# Altium PCB GrunMasterBox.PcbDoc (part 1 of 3)
Units mil, origin at the board's own origin, x right, y up, seen from the top; angles counter-clockwise.
Board outline 5866.14 x 2850.39 mil, 4 copper layers (Component Side, Ground Plane, Power Plane, Solder Side), stack 67.604 mil thick; 165 components, 119 nets, 595 pads, 2267 vias.
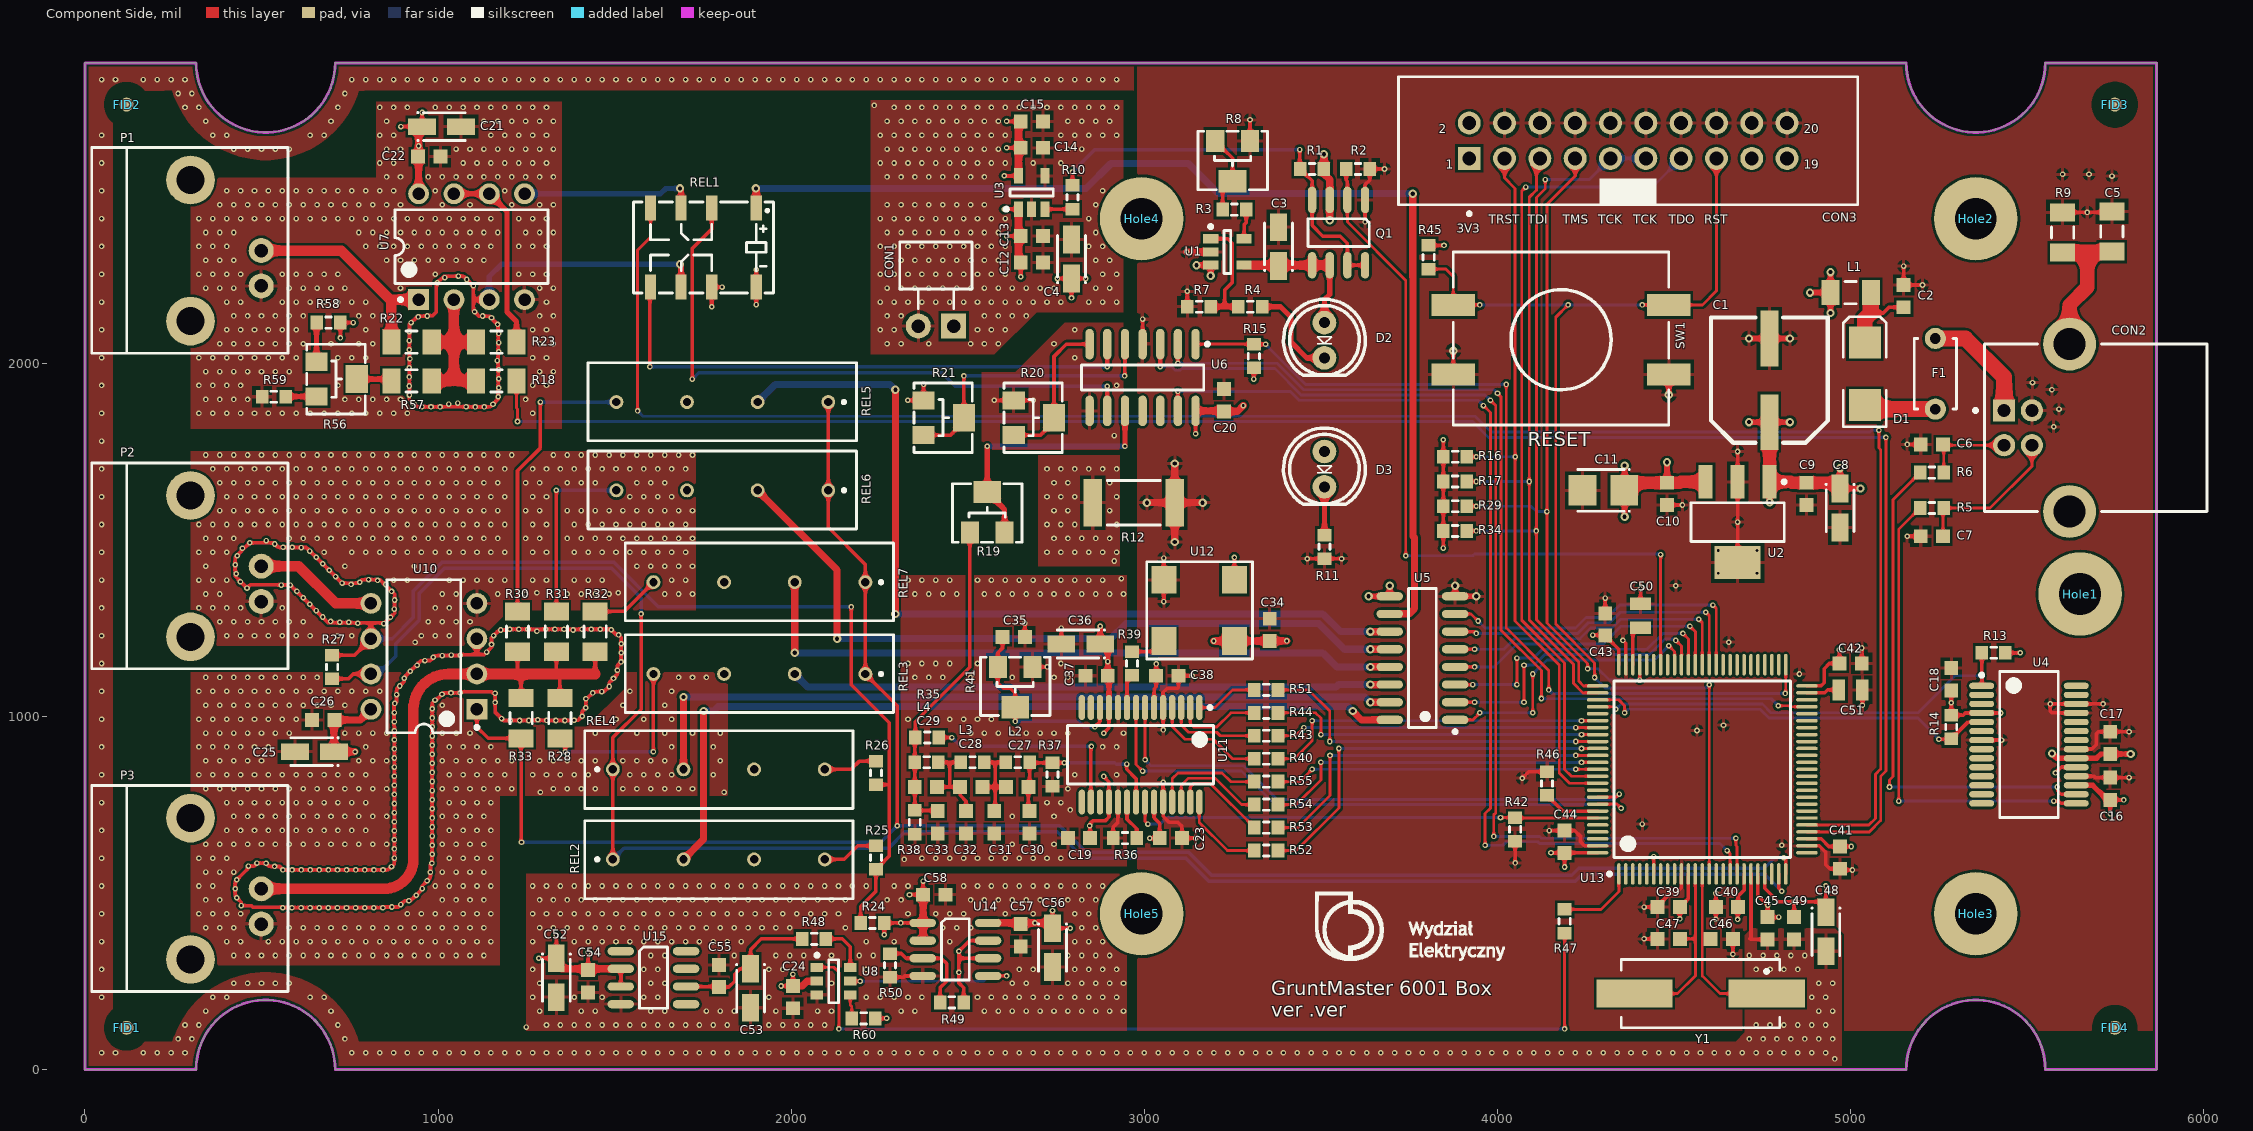
[diagram p0: Component Side view]
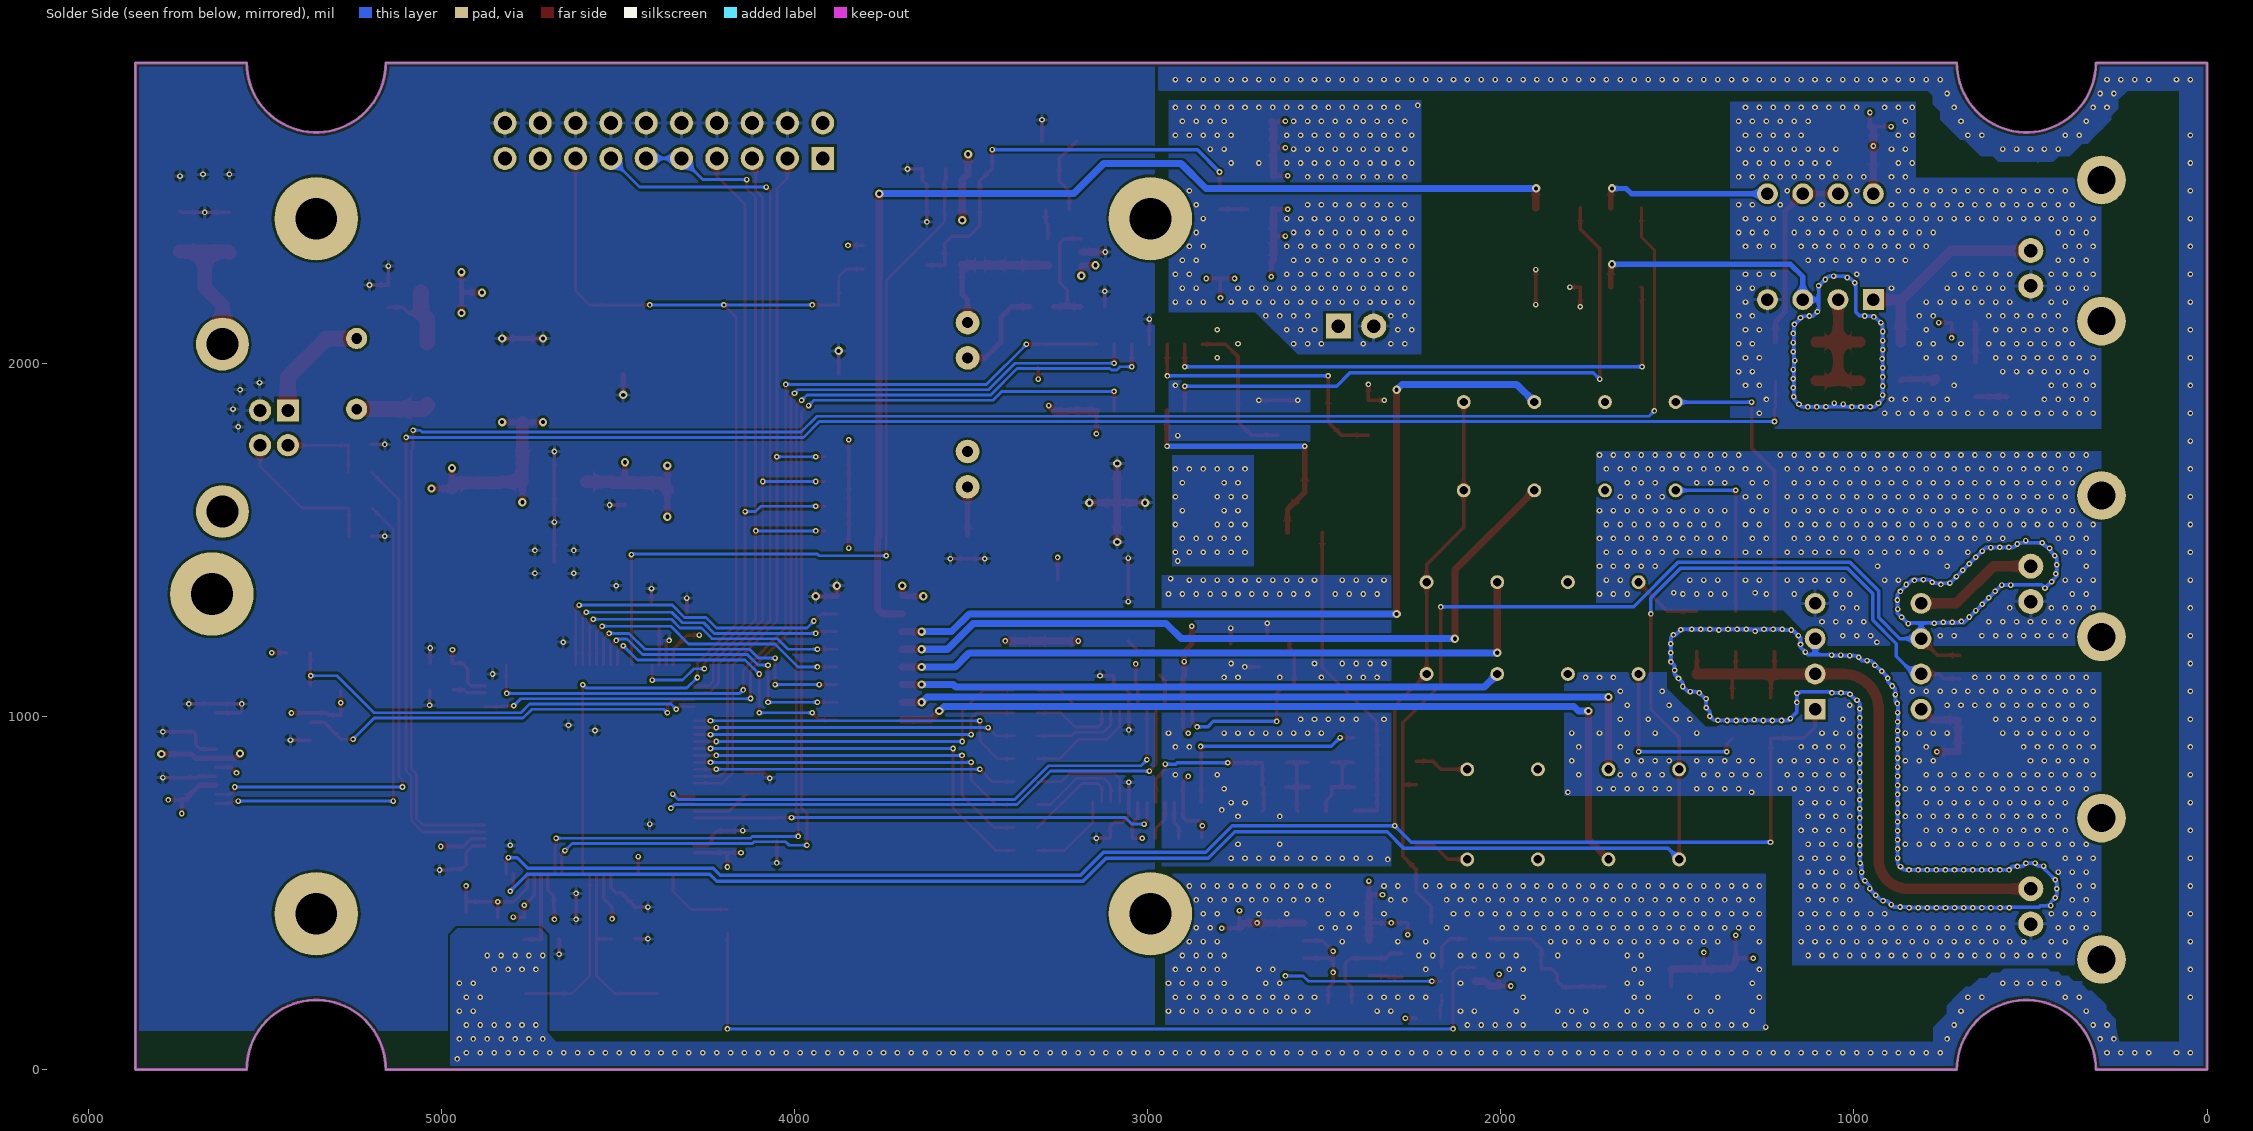
[diagram p1: Solder Side view, seen from below]
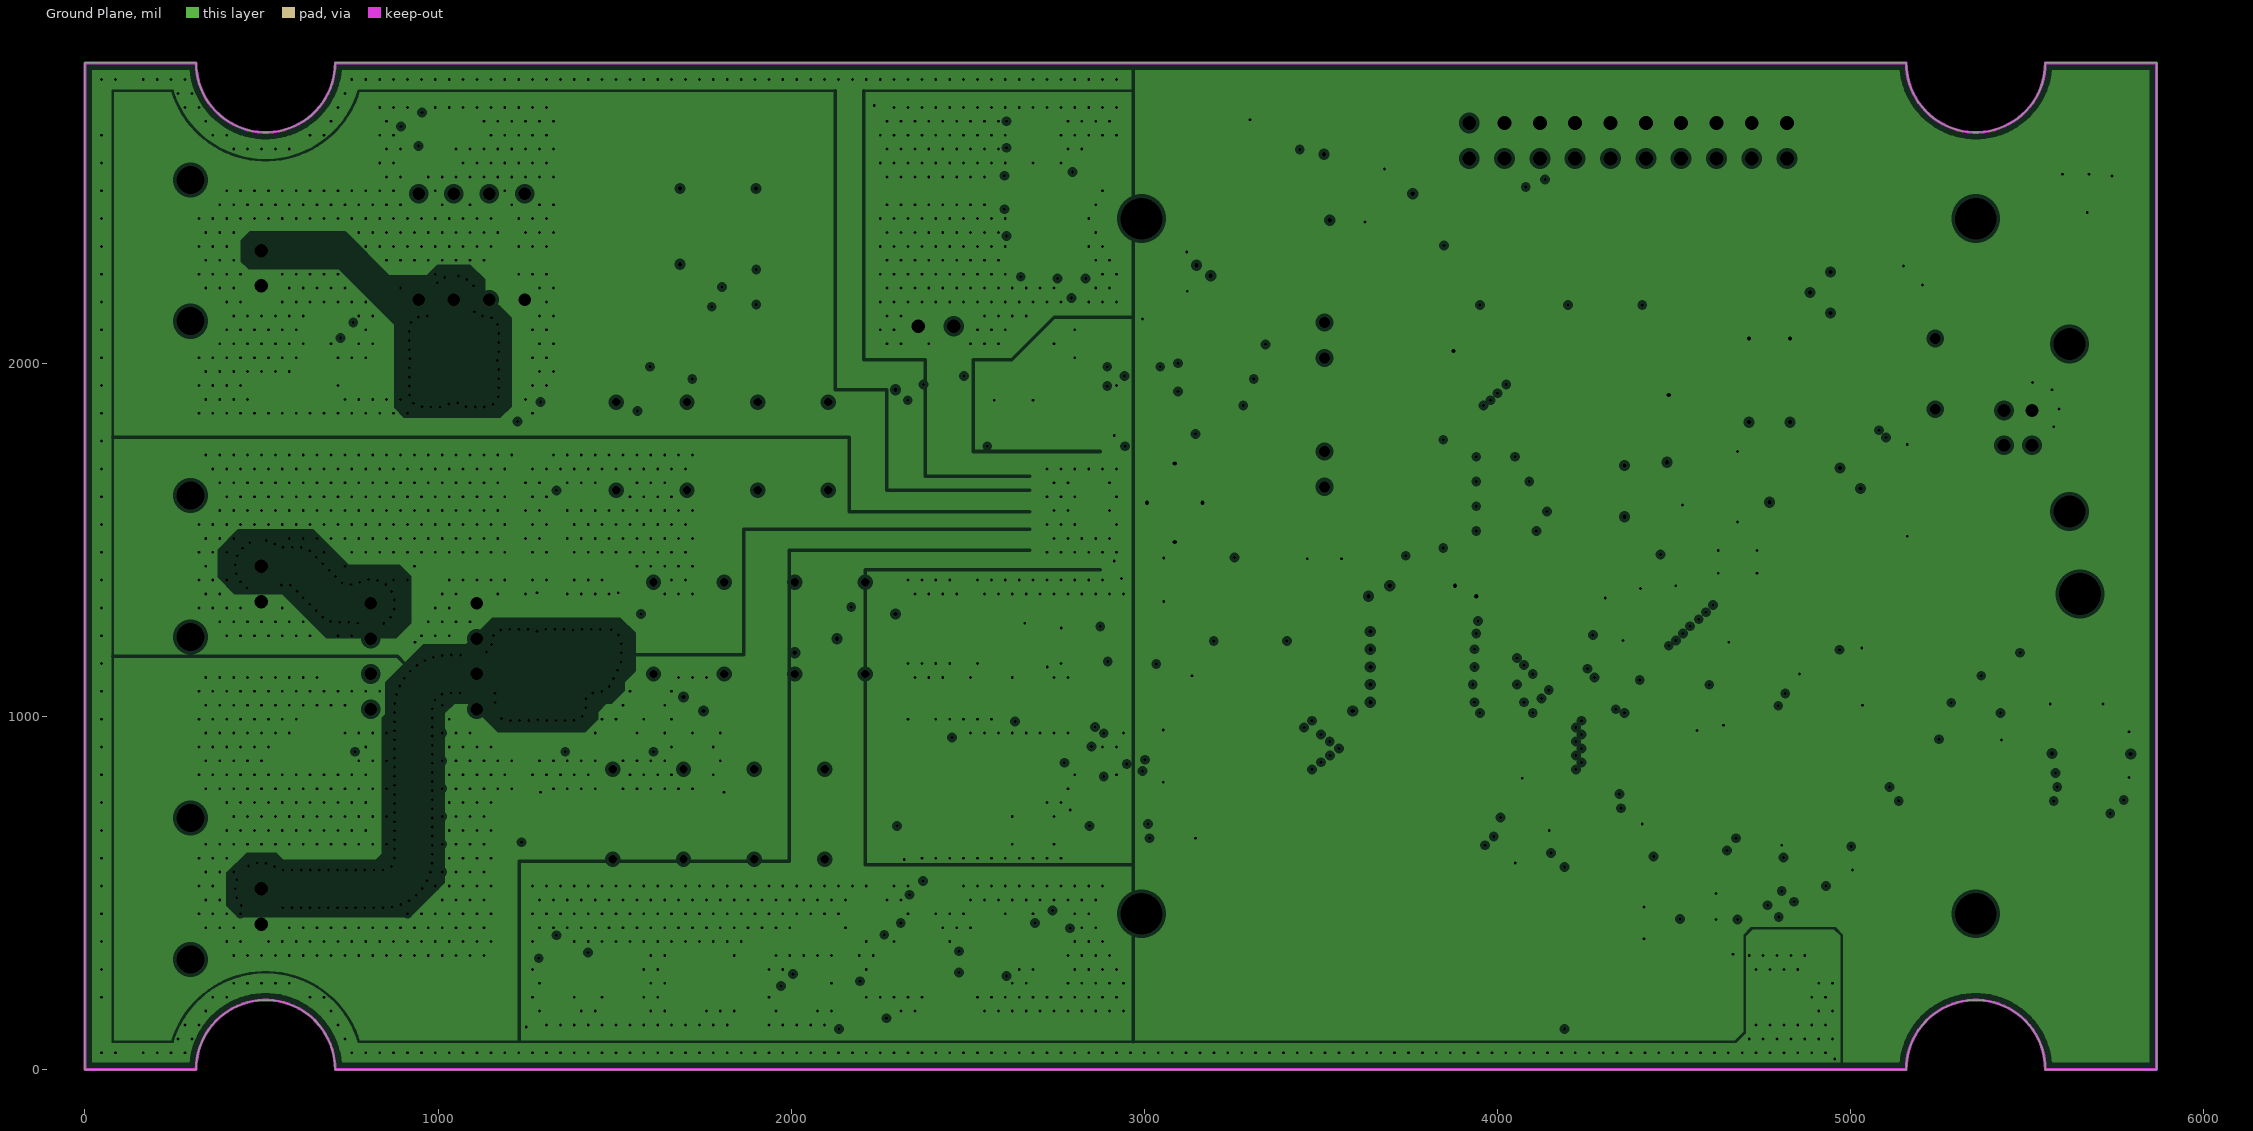
[diagram p2: Ground Plane, clearances drawn from the general rule]
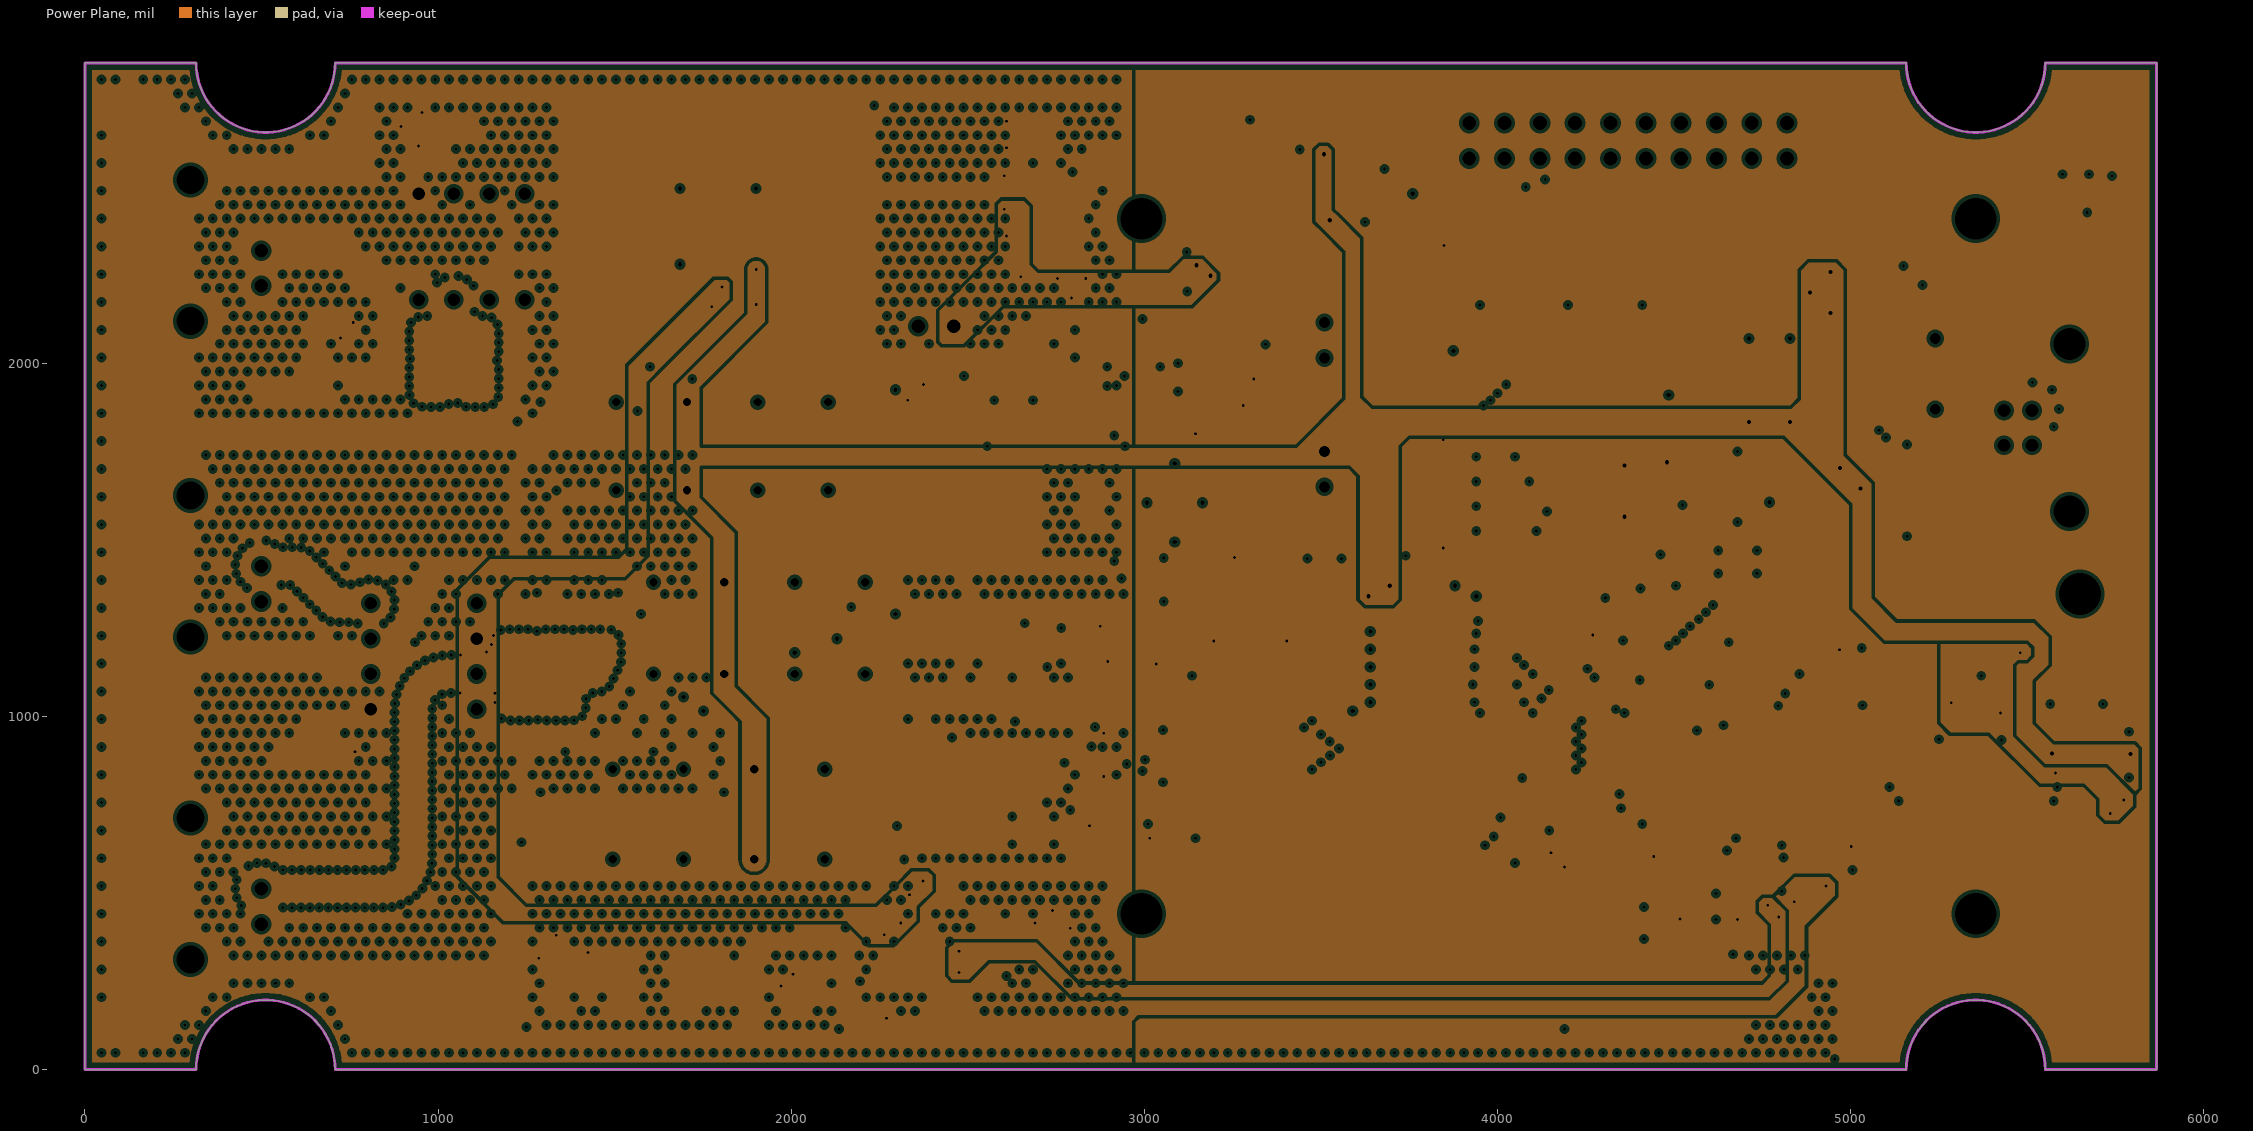
[diagram p3: Power Plane, clearances drawn from the general rule]

## Layer stack, top to bottom
Top Solder: solder mask 0.4, Solder Resist, Dk 3.5
Component Side: signal copper 1.4
Dielectric 1: core 12.6, FR-4, Dk 4.8
Ground Plane: plane copper 1.4169, net (Multiple Nets)
Dielectric 3: prepreg 39.3701, Dk 4.2
Power Plane: plane copper 1.4169, net (Multiple Nets)
Dielectric 4: core 10, Dk 4.2
Solder Side: signal copper 1.4
Bottom Solder: solder mask 0.4, Solder Resist, Dk 3.5

## Board outline
0,0 0,2850.39 314.96,2850.39 ccw(c511.81,2850.39) 708.66,2850.39 5157.48,2850.39 ccw(c5354.33,2850.39) 5551.18,2850.39 5866.14,2850.39 5866.14,0 5551.18,0 ccw(c5354.33,0) 5157.48,0 708.66,0 ccw(c511.81,0) 314.96,0

## Design rules (kind name [scope] priority, off if disabled: settings)
Clearance "Stitching GNDA" [IsStitchingVia and InNet('GNDA') vs (IsVia and (Not IsStitchingVia)) Or IsPad] p1: gap=5
Clearance ShieldClearance_BOT [InNamedPolygon('GND_BOT') vs InNet('SHIELD')] p2: gap=30
Clearance ShieldClearance_TOP [InNamedPolygon('GND_TOP') vs InNet('SHIELD')] p3: gap=30
Clearance [All] p4: gap=7
DiffPairsRouting DiffPair_100_2DiffPairsRouting [InDifferentialPairClass('DIFF100_2')] p1: maxlimit=10 minlimit=10 mostfreqgap=10 toplayer_minwidth=8 toplayer_maxwidth=15 toplayer_prefwidth=15 bottomlayer_minwidth=8 bottomlayer_maxwidth=15 bottomlayer_prefwidth=15 maxuncoupledlength=500
DiffPairsRouting DiffPair_100DiffPairsRouting [InDifferentialPairClass('DIFF100')] p2: maxlimit=10 minlimit=10 mostfreqgap=10 toplayer_minwidth=8 toplayer_maxwidth=15 toplayer_prefwidth=15 bottomlayer_minwidth=8 bottomlayer_maxwidth=15 bottomlayer_prefwidth=15 maxuncoupledlength=500
DiffPairsRouting [All] p3: maxlimit=10 minlimit=8 mostfreqgap=8 toplayer_minwidth=8 toplayer_maxwidth=30 toplayer_prefwidth=8 bottomlayer_minwidth=8 bottomlayer_maxwidth=30 bottomlayer_prefwidth=8 maxuncoupledlength=500
Height [All] p1: minheight=0 maxheight=1200 prefheight=500
HoleSize [All] p1: absolutevalues=TRUE maxlimit=200 minlimit=1 maxpercent=80.000 minpercent=20.000
MatchedLengths DiffPair_100_2MatchedLengths [InNetClass('DIFF100_A')] p1: tolerance=1000 checknetsindiffpair=TRUE checkdiffpairvsdiffpair=FALSE checkxsignals=FALSE checkothers=FALSE
MatchedLengths DiffPair_100MatchedLengths [InNetClass('DIFF100_B')] p2: tolerance=5 checknetsindiffpair=TRUE checkdiffpairvsdiffpair=FALSE checkxsignals=FALSE checkothers=FALSE
MinimumSolderMaskSliver [All] p1: minsoldermaskwidth=1
PasteMaskExpansion [InNet('230V_N')] p1: expansion=20
PlaneClearance [All] p1: clearance=10
PlaneConnect MotConnect [InNetClass('MOT[6..1]')] p1: planeconnectstyle=Direct reliefexpansion=20 reliefentries=4 reliefconductorwidth=10 reliefairgap=10
PlaneConnect ComConnect [InNetClass('COM[6..1]')] p2: planeconnectstyle=Direct reliefexpansion=20 reliefentries=4 reliefconductorwidth=10 reliefairgap=10
PlaneConnect ShieldConnect [InNet('SHIELD')] p3: planeconnectstyle=Relief reliefexpansion=20 reliefentries=4 reliefconductorwidth=10 reliefairgap=40
PlaneConnect Via_Thermal_Relief [IsStitchingVia Or IsVia] p4: planeconnectstyle=Direct reliefexpansion=20 reliefentries=4 reliefconductorwidth=10 reliefairgap=40
PlaneConnect [All] p5: planeconnectstyle=Relief reliefexpansion=8 reliefentries=4 reliefconductorwidth=8 reliefairgap=5
PolygonConnect GNDA_VIA_CONN [InNet('GNDA') And (IsStitchingVia Or IsVia)] p1: connectstyle=Direct reliefconductorwidth=10 reliefentries=4 polygonreliefangle="90 Angle" airgapwidth=10
PolygonConnect [All] p2: connectstyle=Relief reliefconductorwidth=10 reliefentries=4 polygonreliefangle="90 Angle" airgapwidth=10
RoutingVias [All] p1: holewidth=5.91 width=11.81 viastyle="Through Hole" minholewidth=5.91 minwidth=11.81 maxholewidth=500 maxwidth=1000
SilkToSilkClearance [All] p1: silktosilkclearance=5
SilkToSolderMaskClearance SilkscreenOverComponentPads [IsPad] p1: minsilkscreentomaskgap=1 clearancetoexposedcopper=TRUE
SolderMaskExpansion [InNet('230V_N')] p1: expansion=5
Width GND [InNet('GND')] p1: maxlimit=100 minlimit=8 preferedwidth=50
Width 3V3 [InNet('3V3')] p2: maxlimit=40 minlimit=8 preferedwidth=30
Width 5V [InNet('5V')] p3: maxlimit=90 minlimit=10 preferedwidth=60
Width 24V [InNet('24V')] p4: maxlimit=80 minlimit=10 preferedwidth=60
Width [All] p5: maxlimit=100 minlimit=6 preferedwidth=8
21 further rules are at their usual default settings.

## Classes and differential pairs
net class DDSD[8..1]: DDSD1 DDSD2 DDSD3 DDSD4 DDSD5 DDSD6 DDSD7 DDSD8
component class REFVOL: C24 C52 C53 C54 C55 C56 C57 C58 R47 R48 R49 R50 R60 U8 U14 U15
component class MCU: C39 C40 C41 C42 C43 C44 C45 C46 C47 C48 C49 C50 C51 CON3 R16 R17 R29 R34 R45 R46 SW1 U13 Y1
component class DDS: C19 C23 C27 C28 C29 C30 C31 C32 C33 C34 C35 C36 C37 C38 L2 L3 L4 R35 R36 R37 R38 R39 R40 R41 R42 R43 R44 R51 R52 R53 R54 R55 U11 U12
component class GrunMasterBox: FID1 FID2 FID3 FID4 Hole1 Hole2 Hole3 Hole4 Hole5
component class power: C1 C2 C3 C4 C5 C6 C7 C8 C9 C10 C11 C12 C13 C14 C15 CON1 CON2 D1 D2 D3 F1 L1 Q1 R1 R2 R3 R4 R5 R6 R7 R8 R9 R10 R11 R12 U1 U2 U3
component class usb2uart: C16 C17 C18 R13 R14 U4
component class analog: C20 C21 C22 C25 C26 P1 P2 P3 R15 R18 R19 R20 R21 R22 R23 R24 R25 R26 R27 R28 R30 R31 R32 R33 R56 R57 R58 R59 REL1 REL2 REL3 REL4 REL5 REL6 REL7 U5 U6 U7 U10
net class DIFF_USB: USBD_N USBD_P
differential pair USBD: +USBD_P -USBD_N

## Components (designator, comment, footprint, x,y, rotation, side; value= is the part's Value field where it differs from the comment)
C1 "220uF/16V" CAP_SMD_8.3x6.2 4770,1951.55 r0 top
C2 "100nF" CAPC1608N 5150,2190 r270 top
C3 "4.7uF/6V" SMDA 3380,2330 r90 top
C4 "4.7uF/6V" SMDA 2793.78,2295 r90 top
C5 "2n2 / 500V" CAPC3216N 5740,2372.91 r90 top
C6 "10nF" CAPC1608N 5230,1770 r0 top
C7 "10nF" CAPC1608N 5230,1510 r0 top
C8 "10uF/6V" SMDA 4970,1590 r270 top
C9 "100nF" CAPC1608N 4875,1630 r90 top
C10 "100nF" CAPC1608N 4480,1630 r90 top
C11 "100uF" SMDB 4300,1640 r180 top
C12 "4.7uF" CAPC1608N 2681.5,2285 r180 top
C13 "10nF" CAPC1608N 2681.5,2360 r180 top
C14 "10nF" CAPC1608N 2681.5,2610 r180 top
C15 "2.2uF" CAPC1608N 2681.5,2685 r180 top
C16 "100nF" CAPC1608N 5735,795 r270 top
C17 "100nF" CAPC1608N 5735,925 r270 top
C18 "10nF" CAPC1608N 5285,1105 r270 top
C19 "100nF" CAPC1608N 2815,655 r180 top
C20 "100nF" CAPC1608N 3225,1895 r270 top
C21 "2.2uF" SMDA 1010,2670 r0 top
C22 "10nF" CAPC1608N 975,2585 r180 top
C23 "100nF" CAPC1608N 3075,655 r0 top
C24 "100nF" CAPC1608N 2005,205 r270 top
C25 "2.2uF" SMDA 650,900 r180 top
C26 "10nF" CAPC1608N 675,990 r0 top
C27 "1pF" CAPC1608N 2640,800 r180 top
C28 "5.6pF" CAPC1608N 2510,800 r180 top
C29 "4.7pF" CAPC1608N 2381.5,800 r180 top
C30 "22pF" CAPC1608N 2675,700 r90 top
C31 "33pF" CAPC1608N 2575,700 r90 top
C32 "22pF" CAPC1608N 2495,700 r90 top
C33 "22pF" CAPC1608N 2415,700 r90 top
C34 "100nF" CAPC1608N 3355,1245 r90 top
C35 "100nF" CAPC1608N 2630,1225 r180 top
C36 "10uF" SMDA 2820,1205 r180 top
C37 "100nF" CAPC1608N 2865,1115 r180 top
C38 "100nF" CAPC1608N 3065,1115 r0 top
C39 "100nF" CAPC1608N 4485,460 r0 top
C40 "100nF" CAPC1608N 4650,460 r0 top
C41 "100nF" CAPC1608N 4970,600 r90 top
C42 "100nF" CAPC1608N 5000,1150 r180 top
C43 "100nF" CAPC1608N 4305,1260 r270 top
C44 "100nF" CAPC1608N 4190,645 r270 top
C45 "100nF" CAPC1608N 4765,400 r90 top
C46 "20pF" CAPC1608N 4635,370 r180 top
C47 "20pF" CAPC1608N 4485,370 r0 top
C48 "2.2uF" SMDA 4930,390 r270 top
C49 "100nF" CAPC1608N 4840,400 r90 top
C50 "2.2uF" CAPC2012N 4405,1285 r270 top
C51 "2.2uF" CAPC2012N 5000,1075 r180 top
C52 "10uF" SMDA 1335,260 r270 top
C53 "1uF" SMDA 1885,230 r270 top
C54 "100nF" CAPC1608N 1425,250 r270 top
C55 "100nF" CAPC1608N 1795,265 r90 top
C56 "2.2uF" SMDA 2740,345 r270 top
C57 "10nF" CAPC1608N 2650,380 r270 top
C58 "10nF" CAPC1608N 2405,495 r0 top
CON1 "MX-02227-2021" MX-7395-02B 2460,2105 r0 top
CON2 "USB-B" USB-B_SOCKET 5527.28,1817.01 r0 top
CON3 "IDC10x2" IDC20_10x2 4370,2630 r0 top
D1 "SK210" SMB 5040,1970 r90 top
D2 "LED_GREEN" PN8923 3510,2115 r270 top
D3 "LED_GREEN" PN8923 3510,1750 r270 top
F1 "500mA" RAXXX 5240,2070 r0 top
FID1 "Fiducial" "Fid Round" 118.11,118.11 r0 top
FID2 "Fiducial" "Fid Round" 118.11,2732.28 r90 top
FID3 "Fiducial" "Fid Round" 5748.03,2732.28 r90 top
FID4 "Fiducial" "Fid Round" 5748.03,118.11 r90 top
Hole1 "Hole" Hole-3/6 5649.61,1346.46 r0 top
Hole2 "Hole" Hole-3/6 5354.33,2409.45 r0 top
Hole3 "Hole" Hole-3/6 5354.33,440.94 r0 top
Hole4 "Hole" Hole-3/6 2992.13,2409.45 r0 top
Hole5 "Hole" Hole-3/6 2992.13,440.94 r0 top
L1 "MI0805K601R-10" FERRITE_1206 5000,2200 r180 top
L2 "Ferrite" inductor_0603 2675,870 r90 top
L3 "Ferrite" inductor_0603 2546.93,870 r90 top
L4 "Ferrite" inductor_0603 2416.93,870 r90 top
P1 "BNC" 1-1337542-0 399.21,2318.9 r90 top
P2 "BNC" 1-1337542-0 399.21,1425.2 r90 top